# KiCad board DB1MB.kicad_pcb (continued)
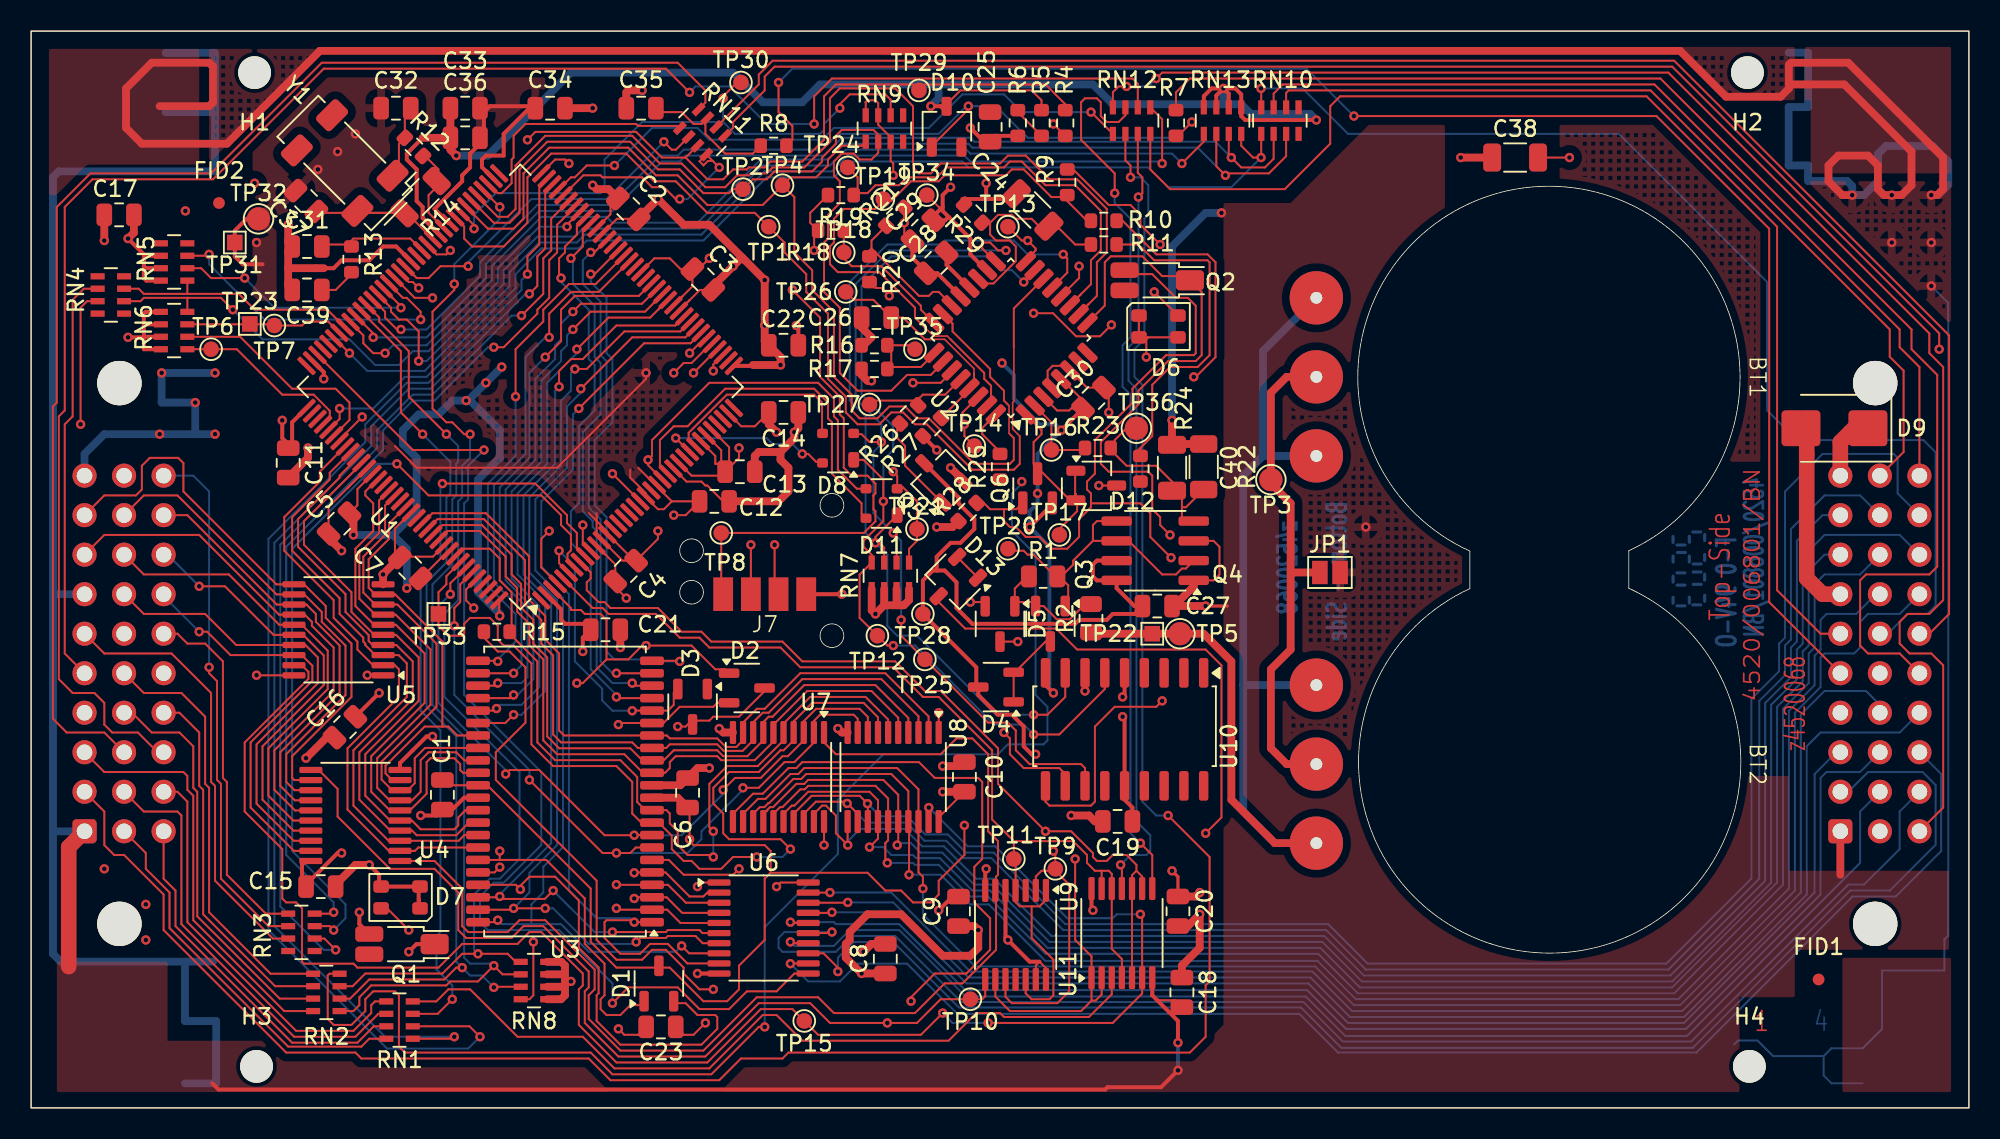
[diagram p0: board, top side]
## Routing (per net, layer and track width the routed paths; a pad name or vN(x,y) marks a point on that pad's centre or on a via; arc(x,y) is an arc through that point) (continued)
  Top w0.127: v1(25.15,43.31) 23.75,44.7 23.75,48.64 23.5,48.9 21.22,51.17 ; v1(27.69,9.02) 27.31,9.02 26.54,8.26 21.72,8.26 20.48,7.02 19.81,7.02 ; v1(29.72,7.75) 29.76,7.79 RN8.3
  Bottom w0.127: v1(25.15,43.31) 26.92,41.53 26.92,39.5 26.67,39.24 26.67,35.05 25.4,33.78 25.4,25.78 27.31,23.88 27.31,9.4 v1(27.69,9.02) 28.19,8.51 28.96,8.51 v1(29.72,7.75)
PF5: length 61.4
  Top w0.127: 19.81,6.22 20.7,6.22 21.08,6.6 21.08,7.11 21.84,7.87 26.67,7.87 26.92,8.13 28.7,8.13 v1(29.72,9.14) 30.28,8.59 31.45,8.59 ; U1.97 22.35,50.81 22.35,50.55 24.26,48.64 24.26,45.72 v1(26.67,43.31)
  Bottom w0.127: v1(29.72,9.14) 29.59,9.27 28.19,9.27 27.81,9.65 27.81,23.88 25.78,25.91 25.78,33.66 27.05,34.93 27.05,39.12 27.31,39.37 27.31,41.4 27.43,41.53 27.43,42.55 v1(26.67,43.31)
PF7: length 63.7
  Top w0.127: RN13.1 75.32,62.12 v1(73.91,60.71) ; 22.28,52.27 22.86,51.69 23.11,51.44 23.11,51.18 23.62,50.67 24.13,50.67 24.89,49.91 v1(24.89,48.01)
  Bottom w0.127: v1(24.89,48.01) 25.4,48.01 30.35,52.96 30.35,53.85 32.51,56.01 34.92,56.01 35.43,56.52 42.93,56.52 46.99,60.58 51.31,60.58 52.32,61.6 60.07,61.6 60.33,61.34 73.28,61.34 v1(73.91,60.71)
PGP4: length 12.1
  Top w0.127: 50.8,43.43 50.8,45.34 50.29,45.85 44.68,45.85 42.23,43.39 42.23,42.95
PGP5: length 11.2
  Top w0.127: 42.29,42.16 v1(41.4,43.05) ; v1(49.53,42.04) 49.91,42.04 50.42,41.53 50.67,41.53
  Bottom w0.127: v1(41.4,43.05) 47.24,43.05 47.63,42.67 48.89,42.67 v1(49.53,42.04)
PGP6: length 23.4
  Top w0.127: U1.24 40.39,41.26 40.39,42.93 41.27,43.82 42.16,43.82 44.58,46.23 50.29,46.23 51.18,45.34 51.18,44.32 51.44,44.07 51.44,40.77 53.34,38.86 53.34,38.19 D11.4
PGP7: length 23.6
  Top w0.127: U1.23 39.62,41.32 v1(39.62,41.66) 39.88,41.91 39.88,42.93 43.56,46.61 50.55,46.61 51.56,45.59 51.56,44.45 51.82,44.2 51.82,41.02 53.04,39.8 D11.3
PQS0: length 36.7
  Top w0.127: v1(34.42,56.64) 34.42,56.77 34.54,56.9 35.24,57.59 ; 10.03,52.07 12.19,52.07 v1(12.95,51.31) ; 10.03,52.07 7.24,52.07 7.02,51.85 RN4.6 ; 10.03,52.07 RN6.8
  Bottom w0.127: v1(12.95,51.31) 14.86,49.4 20.45,49.4 22.1,47.75 23.62,47.75 24.51,48.64 25.53,48.64 29.97,53.09 29.97,53.98 32.64,56.64 v1(34.42,56.64)
PQS1: length 56.9
  Top w0.127: v1(19.43,12.57) 19.34,12.48 RN3.8 ; v1(29.72,48.9) 30.35,48.9 32.51,51.05 32.51,51.31 33.27,52.07 33.27,54.48 33.78,54.99 33.78,56.77 34.16,57.15 34.89,57.87
  Bottom w0.127: v1(29.72,48.9) 29.34,48.9 25.91,45.47 24.51,45.47 22.61,43.56 22.61,42.29 16.38,36.07 16.38,16.26 19.43,13.21 v1(19.43,12.57)
PQS2: length 60.5
  Top w0.127: 34.53,58.28 33.66,57.4 33.4,57.15 33.4,55.12 32.89,54.61 32.89,52.32 v1(31.5,50.93) ; v1(19.56,10.16) 18.83,10.88 RN3.6
  Bottom w0.127: v1(31.5,50.93) 30.86,50.93 25.78,45.85 24.51,45.85 22.23,43.56 22.23,42.42 16,36.2 16,12.95 18.8,10.16 v1(19.56,10.16)
PQS3: length 14.9
  Top w0.127: 43.78,60.87 RN11.4 42.93,60.85 43.19,60.59 43.47,60.87 43.78,60.87 ; 43.78,60.87 v1(44.2,60.45) ; v1(41.66,58.42) 41.4,58.42 40.64,59.18 39.88,59.18 39.24,59.82 36.7,59.82 36.58,59.94 35.47,59.94 U1.68
  Bottom w0.127: v1(44.2,60.45) 42.16,58.42 v1(41.66,58.42)
PQS4: length 39.8
  Top w0.127: v1(68.07,64.01) 68.08,64.01 RN12.1 ; v1(37.47,60.58) 35.69,60.58 34.92,59.82 34.67,59.82 33.86,59.01
  Bottom w0.127: v1(37.47,60.58) 39.88,62.99 42.8,62.99 43.56,62.23 50.8,62.23 51.56,62.99 57.66,62.99 59.82,65.15 62.48,65.15 63.63,64.01 v1(68.07,64.01)
PQS5: length 72.6
  Top w0.127: v1(27.18,4.57) 27.05,4.45 RN1.5 ; v1(32,52.32) 32.51,52.83 32.51,54.74 33.02,55.25 33.02,58.91
  Bottom w0.127: v1(27.18,4.57) 22.73,4.57 15.62,11.68 15.62,36.32 21.84,42.55 21.84,43.82 24.26,46.23 25.65,46.23 31.75,52.32 v1(32,52.32)
PQS6: length 77.8
  Top w0.127: 32.88,59.48 32.64,59.24 32.64,55.5 31.88,54.74 v1(31.88,53.59) ; RN1.6 28.16,5.25 v1(28.83,4.57)
  Bottom w0.127: v1(31.88,53.59) 31.5,53.21 31.5,52.58 25.53,46.61 24.13,46.61 21.46,43.94 21.46,42.8 15.24,36.58 15.24,11.43 22.86,3.81 28.07,3.81 v1(28.83,4.57)
RESET: length 59
  Top w0.127: R4.1 66.42,64.52 65.15,65.79 57.4,65.79 TP29.1 56.64,65.79 51.69,65.79 50.93,65.02 50.93,62.23 49.53,60.83 47.5,60.83 47.12,60.45 46.1,60.45 45.97,60.33 45.08,60.33 44.45,59.69 43.43,59.69 42.04,61.09 ; 23.36,53.35 24.38,52.32 24.64,52.07 v1(25.78,52.07) ; 42.04,61.09 42.8,61.85 ; 42.04,61.09 40.51,61.09 38.86,62.74 32.39,62.74 v1(31.88,62.23)
  In1.Cu w0.127: v1(25.78,52.07) 27.31,52.07 31.88,56.64 v1(31.88,62.23)
RST: length 13.7
  Top w0.1: 60.56,47.21 60.56,47.52 58.67,49.4 57.91,49.4
  Top w0.127: 58.44,44.35 60.2,46.11 ; 57.91,49.4 57.4,49.4 56.01,50.8 C26.1 54.1,51.94 52.83,51.94 TP26.1 ; 60.56,46.57 60.56,47.21
RW: length 64.5
  Top w0.127: v1(72.64,60.71) 72.64,63.55 RN12.5 ; 19.5,49.46 v1(20.45,48.51)
  Bottom w0.127: v1(72.64,60.71) 72.71,60.77 72.64,60.83 60.33,60.83 59.94,61.21 52.45,61.21 51.44,60.2 47.12,60.2 43.05,56.13 35.56,56.13 35.05,55.63 32.64,55.63 30.73,53.72 30.73,52.83 25.27,47.37 21.59,47.37 v1(20.45,48.51)
RXD: length 70.3
  Top w0.127: 29.55,58.46 U1.76 29.55,58.46 ; 29.55,58.46 v1(30.1,57.91) ; 31.13,9.39 30.61,9.91 v1(28.7,9.91) 27.69,9.91 26.42,8.64 21.46,8.64 20.65,7.82 19.81,7.82 ; v1(28.19,43.31) 27.81,43.31 27.05,44.07 26.67,44.07 25.78,44.96 25.78,51.18 27.18,52.58 v1(27.18,52.96)
  Bottom w0.127: v1(30.1,57.91) 30.1,57.15 27.18,54.23 v1(27.18,52.96) ; v1(28.19,43.31) 28.19,41.78 27.69,41.28 27.69,39.24 27.43,38.99 27.43,32.64 26.54,31.75 26.54,26.42 31.37,21.59 31.37,16 30.1,14.73 29.46,14.73 28.45,13.72 28.45,10.16 v1(28.7,9.91)
SCK: length 59
  Top w0.127: v1(55.88,31.37) 55.88,30.35 TP25.1 61.47,24.77 62.74,24.77 63.25,24.26 63.25,22.99 64.14,22.1 67.44,22.1 67.69,21.84 67.69,20.7 ; v1(62.61,55.12) 62.1,55.12 61.6,55.63 61.21,55.63 61.09,55.5 61.09,55.25 61.85,54.48 ; RN7.6 55.59,36.74 v1(55.37,36.96) ; v1(54.61,42.8) 53.85,42.8 53.34,43.31 52.96,43.31
  Bottom w0.127: v1(62.61,55.12) 55.12,55.12 52.96,52.96 52.96,45.59 54.61,43.94 v1(54.61,42.8) 54.61,42.67 54.1,42.16 54.1,38.23 v1(55.37,36.96) 55.88,36.45 v1(55.88,31.37)
TSC: length 37.9
  Top w0.127: v1(28.45,56.52) 28.45,56.73 28.02,57.17 ; v1(51.94,64.26) 51.94,64.52 52.58,65.15 54.86,65.15 55.21,64.81 RN9.6 ; v1(44.45,64.9) 44.45,65.02 45.34,65.91
  Bottom w0.127: v1(51.94,64.26) 50.93,63.25 50.93,62.87 50.67,62.61 45.21,62.61 44.45,63.37 ; 44.45,63.37 39.24,63.37 36.83,60.96 36.83,59.06 36.58,58.8 29.84,58.8 28.45,57.4 v1(28.45,56.52) ; 44.45,63.37 v1(44.45,64.9)
TXD: length 16.2
  Top w0.127: 29.41,59.36 29.97,58.8 30.23,58.8 30.86,59.44 30.86,60.96 30.99,61.09 30.99,62.48 31.75,63.25 38.86,63.25 38.99,63.12 41.53,63.12 RN11.1
XFC: length 6.7
  Top w0.127: 20.38,55.56 20.7,55.88 24.35,55.88 U1.87 ; 20.32,55.5 18.8,55.5
Net-(C25-Pad1): length 2.8
  Top w0.254: 61.75,62.33 61.9,62.48 R6.2 ; 61.13,62.18 v1(60.33,62.99)
Net-(C26-Pad2): length 2.3
  Top w0.5: C26.2 53.34,50.17 53.98,49.53 53.47,49.02
Net-(C32-Pad1): length 3.7
  Top w0.127: 23.62,60.33 23.62,61.98 R12.1 24,63.89
Net-(C39-Pad2): length 2.3
  Top w0.127: C39.2 19.56,52.58 20.57,53.59
Net-(D2-K): length 6.5
  Top w0.127: v1(41.53,24.51) 42.04,24.51 42.17,24.65 D3.3 42.73,24.89 43.56,24.89 43.82,25.15 45.47,25.15 47.11,26.79
Net-(D4-K): length 48.1
  Top w0.254: D4.3 60.83,26.54 62.1,25.27 62.99,25.27 63.75,24.51 63.75,23.24 64.26,22.73 v1(64.52,22.73) ; 58.17,34.54 57.91,34.54 57.28,33.91 TP28.1 60.71,28.32 60.71,27.18 ; 58.17,34.54 58.17,35.43 59.05,36.32 59.69,36.32 60.58,37.21 60.58,37.85 59.56,38.86 59.56,39.24 Q5.3 ; 58.17,34.54 58.67,34.54 59.44,33.78 59.44,32.13 60.45,31.12 67.06,31.12 67.31,31.37 69.09,31.37 69.47,31.75 70.87,31.75 C27.1 70.87,32.26 69.72,33.4 Q4.8 68.45,33.91 68.2,34.16 68.2,34.93 68.45,35.18 69.72,35.18
Net-(D11A-K): length 60.7
  Top w0.127: D11.1 54.23,36.7 v1(54.23,36.32) 54.48,36.32 54.79,36.02 RN7.7 ; v1(64.39,25.27) 65.28,25.27 66.42,26.42 U10.8 ; v1(66.29,54.86) 66.55,54.61 66.55,53.69 65.65,52.79
  Bottom w0.127: v1(64.39,25.27) 61.98,25.27 56.9,30.35 55.63,30.35 54.99,30.99 54.99,35.56 v1(54.23,36.32) 53.59,36.96 53.59,44.45 52.58,45.47 52.58,53.09 54.99,55.5 58.42,55.5 58.67,55.75 63.12,55.75 64.01,54.86 v1(66.29,54.86)
Net-(D11B-K): length 6.9
  Top w0.127: 55.7,39.88 56.01,39.88 56.9,38.99 TP21.1 56.9,36.45 56.39,35.94 RN7.5 ; D11.2 55.63,40.64 v1(55.37,40.89)
Net-(D13-K-Pad1): length 1.9
  Top w0.127: D13.1 60.08,34.81 D13.2
Net-(J7-Pin_1): length 31.8
  Top w0.127: v1(48.89,52.58) 50.67,50.8 50.67,46.99 51.94,45.72 51.94,44.58 52.2,44.32 52.2,41.15 52.7,40.64 53.72,40.64 54.23,40.13 54.23,39.5 54.1,39.37 54.1,38.48 54.23,38.35 54.23,37.7 53.48,36.96 TP8.1 44.32,33.15
Net-(J8A-Pin_a2): length 145.4
  Top w0.127: v1(73.02,18.8) 75.69,16.13 75.69,8.13 75.44,7.87 75.44,4.57 74.42,3.56 48.64,3.56 48.26,3.18 45.59,3.18 44.2,1.78 37.21,1.78 35.81,3.18 21.21,3.18 20.83,3.56 16.38,3.56 8.51,11.43 8.51,13.72 5.97,16.26 5.33,16.26 4.7,16.89 4.7,19.05 J8.a2 ; RN12.2 70.28,60.91 70.61,60.58 v1(70.61,59.82)
  Bottom w0.127: v1(73.02,18.8) 72.26,18.8 71.37,19.69 71.37,46.48 70.87,46.99 70.87,48.77 71.5,49.4 71.5,57.15 71.76,57.4 71.76,59.31 71.25,59.82 v1(70.61,59.82)
Net-(J8B-Pin_b4): length 25.5
  Top w0.127: 6.48,25.4 7.75,24.13 9.53,24.13 10.41,23.24 10.41,20.57 10.67,20.32 10.67,12.32 15.96,7.02 RN2.3
Net-(J8B-Pin_b5): length 27.4
  Top w0.127: RN2.1 15.38,8.62 11.43,12.57 11.43,20.57 11.18,20.83 11.18,25.15 9.65,26.67 7.24,26.67 J8.b5
Net-(J8C-Pin_c3): length 117.9
  Top w0.127: v1(50.29,63.25) 50.29,65.02 51.44,66.17 70.74,66.17 71.08,65.82 RN12.6 ; v1(42.29,65.28) 40.77,66.8 18.8,66.8 11.68,59.69 3.94,59.69 2.16,57.91 2.16,44.83 1.78,44.45 1.78,27.56 2.67,26.67 4.06,26.67 4.7,26.04 4.7,24.64 5.21,24.13 6.86,24.13 8.13,22.86
  Bottom w0.127: v1(50.29,63.25) 47.24,63.25 44.83,65.66 42.67,65.66 v1(42.29,65.28)
Net-(Q2-E): length 41
  Top w0.127: 68.07,38.86 68.07,38.61 67.31,37.85 67.31,36.7 66.55,35.94 65.53,35.94 64.77,36.7 63.88,36.7 63.25,37.34 62.86,37.34 62.48,37.72 62.48,38.48 ; 68.07,38.86 68.07,39.5 67.82,39.75 67.82,40.26 68.33,40.77 68.33,42.93 70.74,45.34 70.74,46.23 72.9,48.39 74.68,48.39 74.8,48.51 74.8,51.56 74.3,52.07 73.53,52.07 72.01,53.59 70.87,53.59 ; 68.07,38.86 71.25,38.86 71.88,38.23 71.88,36.7 v1(73.22,35.37) ; 62.48,38.48 63.28,38.48 Q6.1 ; 62.48,38.48 61.6,38.48 61.19,38.89
Net-(Q3-D): length 4.9
  Top w0.127: 65.34,29.97 65.15,29.97 63.11,27.93 63.11,26.1
Net-(Q3-G): length 18.6
  Top w0.127: 62.86,35.81 63.75,35.81 64.01,35.56 64.39,35.56 65.66,34.29 ; 66.61,32.1 66.61,32.85 ; 66.61,32.85 66.61,32.45 ; 66.61,32.85 66.61,33.59 66.26,33.94 ; 66.17,34.16 66.93,34.93 66.93,35.18 68.2,36.45 ; 68.2,36.45 Q4.6 ; 68.2,36.45 68.2,37.47 68.45,37.72 Q4.5 ; 70.48,36.45 72.64,34.29 73.53,34.29 73.91,34.67 74.17,34.67 74.67,35.18
Net-(Q3-S): length 7.4
  Top w0.127: Q3.2 65.02,32.26 65.88,31.41 66.71,31.41 67.69,32.39 ; 63.63,33.84 63.18,33.38 D5.1 ; 63.63,33.84 64.09,34.29 ; 63.63,33.84 63.76,33.84 ; 63.37,32.51 64.3,32.51
Net-(Q4B-G): length 10.7
  Top w0.127: 73.91,38.61 73.91,39.62 72.26,41.28 70.36,41.28 69.6,42.04 ; 73.91,38.61 74.17,38.61 75.31,39.75 ; 73.91,38.61 73.91,37.85 ; 69.6,42.25 69.6,42.93 70.36,43.69
Net-(Q5-B): length 6.1
  Top w0.127: 58.49,38.91 56.13,41.28 56.13,42.55 55.63,43.05 55.63,43.82
Net-(R5-Pad2): length 2.2
  Top w0.127: R5.2 63.37,64.01
Net-(R11-Pad2): length 22.1
  Top w0.127: R11.2 71.12,55.5 72.14,54.48 75.57,54.48 75.69,54.36 75.69,48.39 74.93,47.63 73.15,47.63 72.01,46.48 72.01,43.18 71.25,42.42 ; 71.25,42.42 70.99,42.16 ; 71.25,42.42 R24.1
Net-(R18-Pad2): length 4
  Top w0.127: R18.2 50.04,56.9 50.04,57.53 51.18,58.67 ; 50.29,56.13 v1(50.29,55.12)
Net-(RN1-R1.2): length 51.9
  Top w0.127: U11.3 69.41,7.31 67.95,5.84 62.48,5.84 62.23,6.1 60.71,6.1 58.93,4.32 49.53,4.32 47.88,5.97 46.99,5.97 43.56,2.54 37.47,2.54 35.43,4.57 31.24,4.57 28.19,7.62 26.8,7.62 26.02,6.85 RN1.8
Net-(RN7-R1.1): length 7
  Top w0.5: 55.63,32.31 56.06,32.31 56.39,32.64 RN7.4 ; 55.63,32.31 54.79,32.31 ; 55.63,32.31 55.59,32.35 RN7.3 ; RN7.1 53.99,31.99 v1(54.23,31.75) 54.79,32.31 ; 54.79,32.31 RN7.2
Net-(RN9-R1.2): length 6.5
  Top w0.127: RN9.8 53.61,64.63 53.59,64.64 53.72,64.77 54.23,64.77 54.41,64.59 RN9.7 54.41,63.2 55.21,62.4 ; RN9.3 55.21,60.87 55.37,60.71 v1(55.37,59.94)
Net-(RN11-R2.2): length 8.7
  Top w0.127: R8.1 46.36,61.34 44.58,61.34 43.31,62.61 43.31,63.49 ; 40.39,64.01 41.78,64.01 42.55,63.25 43.07,63.25 RN11.7
Net-(RN12-R2.2): length 57.6
  Top w0.127: v1(69.6,58.8) 69.6,60.07 67.44,62.23 67.44,64.64 67.69,64.9 68.45,64.9 68.71,64.64 68.71,63.75 69.09,63.37 69.85,63.37 70.28,63.81 RN12.7 ; U11.8 72.01,16.26 v1(71.25,17.02)
  Bottom w0.127: v1(71.25,17.02) 70.61,17.65 70.61,45.85 70.1,46.36 70.1,49.02 70.61,49.53 70.61,57.15 69.6,58.17 v1(69.6,58.8)
Net-(RN12-R3.1): length 51
  Top w0.127: v1(69.98,15.62) 70.06,15.54 U11.11 ; v1(71.12,58.55) 71.37,58.8 71.37,59.82 71.08,60.11 RN12.3
  Bottom w0.127: v1(69.98,15.62) 70.61,16.26 71.63,16.26 71.88,16.51 71.88,17.53 70.99,18.42 70.99,46.23 70.48,46.74 70.48,48.9 71.12,49.53 v1(71.12,58.55)
Net-(TP9-Pad1): length 16.9
  Top w0.127: v1(65.66,16.51) 65.79,16.38 65.79,15.51 ; U9.10 62.58,7.14 62.99,6.73 65.91,6.73 66.67,7.49 66.67,14.35 65.91,15.11 ; 65.66,15.24 64.9,15.24 64.53,14.87 U9.2
Net-(U1-EXTAL): length 11.1
  Top w0.127: 19.94,57.53 20.83,57.53 ; 19.94,57.53 21.33,57.53 ; 19.94,57.53 18.54,57.53 ; 21.33,57.53 24.12,57.53 25.54,56.11 ; 21.33,57.53 23.97,57.53
Net-(U1-XTAL): length 5.2
  Top w0.127: 26.16,59.31 25.53,58.67 25.53,57.53 U1.83 ; 25.3,61.19 26.16,60.33 26.16,59.82
Net-(U2-ADC6): length 13.5
  Top w0.127: 67.82,55.5 67.06,55.5 66.04,56.52 65.47,56.52 ; 61.6,56.9 61.6,56.13 61.98,55.75 62.86,55.75 63.25,55.37 63.25,54.43 61.81,52.99 61.13,52.99 ; 61.6,56.9 62.1,57.4 62.99,57.4 63.25,57.15 64.26,57.15 64.9,56.52 ; 61.6,56.9 R29.1
Net-(U2-ADC7): length 9.2
  Top w0.127: R21.1 53.98,55.75 53.98,55.25 ; 53.98,55.25 53.85,55.12 R20.1 ; 53.98,55.25 57.02,52.2 57.66,52.2 57.91,52.45 58.29,52.45 59.07,51.67
Net-(U2-AREF): length 2.8
  Top w0.254: 60.2,52.79 58.8,54.19 58.8,54.99
Net-(U3-~{OE}): length 28.6
  Top w0.127: 41.4,6.73 42.04,6.73 42.8,5.97 43.94,5.97 44.07,5.84 44.07,5.08 43.05,4.06 37.85,4.06 36.32,5.59 36.32,7.24 36.45,7.37 36.45,9.02 35.18,10.29 35.18,13.34 33.66,14.86 32,14.86 31.42,14.28 v1(31.42,14.04) 31.13,14.34 U3.41
Net-(U3-~{WE}): length 7.7
  Top w0.127: v1(37.72,24.64) 37.82,24.74 U3.17 40.61,24.74 41.66,25.78 43.82,25.78 44.07,26.04 D2.2
Net-(U4-Load): length 59.6
  Top w0.127: U9.8 61.28,7.18 61.09,6.99 58.42,6.99 56.9,5.46 v1(54.99,5.46) 51.31,5.46 50.04,6.73 46.74,6.73 43.31,3.3 37.72,3.3 35.56,5.46 35.56,7.49 35.81,7.75 35.81,8.76 32.89,11.68 31.62,11.68 30.86,10.92 27.94,10.92 27.43,11.43 27.43,13.84 25.91,15.37 23.04,15.37 19.69,18.73 19.69,20.5 18.47,21.72
unconnected-(C38-Pad2): length 2
  Top w0.127: C38.2 v1(98.81,61.09)
unconnected-(D5-A-Pad2): length 0.8
  Top w0.127: 61.09,32.51 v1(60.33,32.51)
unconnected-(D5-K-Pad3): length 1.1
  Top w0.127: D5.3 v1(63.37,29.97)
unconnected-(D13-A-Pad3): length 31.4
  Top w0.127: v1(75.44,17.65) 76.45,18.67 76.45,28.45 75.44,29.46 67.18,29.46 65.84,30.81 60,30.81 58.29,32.51 D13.3
unconnected-(J7-Pin_2-Pad2): length 2.9
  Top w0.127: 46.23,33.27 v1(46.23,36.2)
unconnected-(J7-Pin_3-Pad3): length 3.2
  Top w0.127: 47.75,33.02 v1(47.75,36.2)
unconnected-(J7-Pin_4-Pad4): length 2.3
  Top w0.254: J7.4 v1(52.07,33.02)
unconnected-(Q1-C-Pad1): length 1.9
  Top w0.254: v1(24.26,10.03) 24.75,10.53 Q1.1
unconnected-(Q1-E-Pad3): length 1.7
  Top w0.254: Q1.3 21.08,11.81 v1(21.08,12.57)
unconnected-(Q5-E-Pad2): length 1.2
  Top w0.5: 59.89,40.31 v1(59.05,41.15)
unconnected-(R15-Pad2): length 34
  Top w0.127: 29.08,30.23 29.97,29.34 30.73,29.34 31.75,28.32 31.75,24.77 29.84,22.86 29.84,21.08 36.32,14.61 36.32,10.8 37.59,9.53 39.24,9.53 39.88,10.16 40.77,10.16 41.91,9.02 41.91,8.64 42.93,7.62 v1(43.82,7.62)
unconnected-(R17-Pad2): length 1.2
  Top w0.5: v1(53.98,46.74) 53.72,46.74 53.34,47.12 R17.2
unconnected-(R20-Pad2): length 1.6
  Top w0.127: v1(55.12,52.2) 54.61,52.71 54.23,52.71 R20.2
unconnected-(R27-Pad1): length 1.3
  Top w0.254: R27.1 v1(58.17,42.29)
unconnected-(R28-Pad1): length 1.6
  Top w0.5: R28.1 59.18,37.34 v1(58.17,37.34)
unconnected-(RN2-R1.2-Pad8): length 88
  Top w0.127: 19.81,8.62 19.16,8.62 19.05,8.51 19.05,5.72 19.43,5.33 20.57,5.33 21.46,6.22 21.46,6.99 21.97,7.49 23.37,7.49 23.62,7.24 23.62,3.94 24,3.56 35.94,3.56 37.34,2.16 43.69,2.16 46.74,5.21 v1(47.12,5.21)
  Bottom w0.127: v1(63.63,40.26) 63.63,40.13 62.99,39.5 62.99,37.08 64.52,35.56 64.52,26.54 65.28,25.78 65.28,23.62 65.02,23.37 62.74,23.37 62.1,22.73 54.74,22.73 51.82,19.81 51.82,16.32 47.12,11.62 v1(47.12,5.21)
unconnected-(RN8-R4.1-Pad4): length 4.3
  Top w0.127: v1(32.26,10.67) 32.26,7.24 32,6.99 RN8.4
unconnected-(U1-~{CSBOOT}-Pad140): length 2.4
  Top w0.127: U1.140 27.94,33.32 27.94,32.62 v1(28.43,32.13)
unconnected-(U2-PB0-Pad12): length 2.3
  Top w0.127: v1(67.31,54.1) 67.31,53.34 67.18,53.21 66.21,52.24
unconnected-(U3-~{CE}-Pad6): length 6.1
  Top w0.127: v1(45.47,15.37) 45.08,14.99 41.91,14.99 40.96,15.94 U3.6
unconnected-(U5-A->B-Pad1): length 1
  Top w0.127: 22.61,27.81 21.6,27.81 v1(21.59,27.81)
unconnected-(U6-OE-Pad1): length 1.5
  Top w0.127: v1(42.8,14.22) 43.06,14.49 U6.1
unconnected-(U7-GND-Pad10): length 1
  Top w0.5: U7.10 44.45,24.13 v1(44.2,24.38)
unconnected-(U7-Load-Pad11): length 35.9
  Top w0.127: v1(56.52,6.86) 56.52,7.11 58.04,8.64 60.07,8.64 61.6,10.16 61.6,12.19 60.58,13.21 60.58,15.49 61.09,16 61.09,20.96 60.83,21.21 58.04,21.21 57.02,22.23 49.53,22.23 49.15,21.84 48.64,21.84 46.99,20.19 46.36,20.19 45.08,18.91
unconnected-(U10-DATA-Pad11): length 5.8
  Top w0.127: 66.42,21.46 66.04,21.84 63.75,21.84 62.86,22.73 62.86,23.75 v1(62.48,24.13)
  Bottom w0.127: 62.61,24 v1(62.48,24.13)
unconnected-(U10-Foe-Pad5): length 1.6
  Top w0.254: v1(70.1,26.42) 70.23,26.54 U10.5
unconnected-(U10-Fout-Pad10): length 14.2
  Top w0.127: v1(72.64,26.16) 72.26,25.78 69.6,25.78 68.33,24.51 68.33,19.69 68.07,19.43 65.41,19.43 65.15,19.69 65.15,20.7
unconnected-(U10-Fsel-Pad7): length 1.2
  Top w0.254: U10.7 v1(67.69,26.8)

## Copper pours and planes (outline as drawn; the poured copper is in the pictures)
GND on Top: 112.9,21.34 112.9,15.24 123.19,15.24 123.19,10.16 113.28,10.16 113.28,7.11 109.73,7.11 109.73,1.02 1.65,1.02 1.65,9.4 8.76,9.4 8.76,4.32 15.11,4.32 16.38,3.05 74.3,3.05 76.58,5.33 76.58,58.17 80.9,58.17 85.98,63.25 90.8,63.25 90.8,46.99 80.39,46.99 80.39,21.34
GND on Top: 123.32,60.07 123.32,68.2 113.92,68.2 113.92,64.77 114.3,64.77 114.3,60.07
GND on Top: 123.32,59.56 113.79,59.56 123.32,50.17
GND on Top: 113.28,68.2 105.16,68.2 108.46,64.77 113.28,64.77
GND on Top: 80.26,46.61 80.26,22.61 92.46,22.61 92.46,46.61
GND on Top: 116.33,9.65 116.33,1.02 123.32,1.02 123.32,9.65
GND on Top: 31.37,31.88 16.89,46.36 31.37,60.83 45.97,46.36
GND on Top: 11.43,68.07 11.43,60.45 18.95,68.07
GND on Top: 10.8,68.07 1.14,68.07 1.14,58.67 1.78,58.67 3.68,60.58 10.8,60.58
GND on Top: 104.39,63.25 98.17,63.25 98.17,41.53 111.13,41.53 111.13,56.52
GND on Top: 18.92,66.42 14.22,61.6 14.22,51.69 15.37,51.69 33.02,65.41 33.02,66.42
GND on Bottom: 113.79,68.2 113.79,60.33 123.32,60.33 123.32,68.2
GND on Bottom: 109.86,5.72 109.86,1.02 11.43,1.02 11.43,10.16 18.42,3.18 107.06,3.05
GND on Bottom: 10.92,9.78 1.4,9.78 1.4,1.14 10.92,1.14
GND on Bottom: 123.06,9.14 116.84,9.14 116.84,1.02 123.06,1.02
GND on Bottom: 123.06,11.18 115.06,11.18 113.67,9.78 123.06,9.78
GND on Bottom: 115.95,3.94 111.63,3.94 111.63,1.14 115.95,1.14
GND on Bottom: 123.4,59.82 123.32,43.18 113.54,43.18 111.89,44.83 111.89,53.09 101.98,62.87 86.49,62.87 82.3,67.06 25.02,67.06 24.7,66.42 18.42,66.42 17.91,64.77 17.15,63.75 15.37,62.74 13.72,62.74 12.58,63.12 11.56,62.48 11.56,68.33 113.28,68.21 113.28,59.82
GND on Bottom: 25.91,55.12 26.42,55.63 26.54,65.15 20.7,65.15 18.67,64.39 16.64,62.1 15.88,60.45 15.88,58.42 16,58.42 19.3,55.12
GND on Bottom: 11.05,68.2 1.4,68.2 1.4,59.82 11.05,59.82
GND on In1.Cu: 1.27,71.76 123.44,71.76 123.44,-2.54 1.27,-2.54
VDD on Bottom: 18.67,3.68 22.48,3.68 14.86,11.3 14.86,36.58 21.08,42.8 20.95,49.02 14.61,49.02 15.88,51.82 25.91,51.82 29.72,59.18 34.54,59.18 37.08,63.12 37.72,65.66 38.23,66.17 44.83,66.17 45.34,66.8 24.89,66.8 24.89,65.53 26.92,65.53 26.92,61.85 26.8,60.96 26.8,55.37 26.16,54.74 19.18,54.74 16,58.04 16,62.61 12.45,62.61 12.45,59.31 2.16,59.31 2.16,10.29 12.19,10.29
VDD on Bottom: 79.76,55.25 86.74,55.25 92.58,59.69 92.58,62.1 84.58,62.1 78.23,66.04 77.34,66.04 75.18,65.15 69.72,65.15 65.28,63.75 65.28,62.61 75.15,62.61 78.74,60.71 72.14,54.48 68.33,60.4 52.7,60.33 47.24,59.31 42.8,54.86 36.58,54.86 36.58,26.04 24.64,45.21 17.15,35.81 17.15,16.76 21.08,12.83 21.08,6.86 24.38,3.56 73.02,3.68 79.76,12.07
VDD on In2.Cu: 3.18,72.39 3.18,-3.17 122.05,-3.17 122.05,72.39

## Text on the board
Bottom: 4520/006801/BN | z4520068 | Bottom - Side | F-0 94V-O | 4
Top: z4520068 | 1 | Top-Side | 4520/006801/BN
